# KiCad board 8851_HW-U1-VCU118_REV2-0_071417.kicad_pcb (continued)
## Routing (per net, layer and track width the routed paths; a pad name or vN(x,y) marks a point on that pad's centre or on a via; arc(x,y) is an arc through that point) (continued)
UTIL_3V3_DH_R: length 17.6
  TOP w0.625: 182.96,40.34 v3(184,40.34)
  03_SIG1 w0.375: v3(188.83,32.59) 188.83,33.95 187.97,34.8 182.7,34.8 181.68,35.83 181.68,39.78 182.25,40.34 v3(184,40.34)
  BOTTOM w0.375: 188.83,31.84 v3(188.83,32.59)
UTIL_3V3_DL: length 16.8
  TOP w0.625: v3(191.08,40.57) 191.08,40.16 191.39,39.84 192.08,39.84
  03_SIG1 w0.375: v3(189.58,27.77) 189.58,31.84 191.08,33.34 v3(191.08,40.57)
  BOTTOM w0.3: 188.08,27.08 188.89,27.08 v3(189.58,27.77)
UTIL_3V3_FET_SWITCH: length 52.2
  TOP w0.15: L75.1 190.68,46.87 191.39,47.58 191.39,50.42 v4(191.02,50.8)
  TOP w0.25: 190.71,59.7 v3(190.03,59.7)
  03_SIG1 w0.5: v3(202.97,52.92) 198.22,52.92 195.32,50.02 190.68,50.02 188.93,51.78 188.93,54.28 187.95,55.25 187.95,57.62 v3(190.03,59.7)
  BOTTOM w0.15: R1135.2 189.99,51.42 190.32,51.75 191.12,51.75 191.4,51.47 191.4,51.18 v4(191.02,50.8)
  BOTTOM w0.25: 190.08,31.84 190.08,31.84 189.47,31.23 189.47,30.48 188.57,29.58 187.87,29.58 187.43,29.14 187.43,28.72
  BOTTOM w0.375: 187.58,32.22 187.58,31.84 ; 190.08,31.84 190.08,32.9
  BOTTOM w0.75: 186.43,36.17 186.43,34.9 187.58,33.75 187.58,32.22 ; 190.08,32.9 190.08,33.97 187.9,36.14
  vias: v4(185.88,42.32) v4(187.13,42.32)
UTIL_3V3_PGOOD: length 191.7
  TOP w0.375: 198,168.86 v3(197.18,168.86)
  03_SIG1 w0.375: v3(202.72,150.68) 202.72,151.5 202.29,151.93 201.21,151.93 200.75,152.39 200.75,154.15 200.62,154.28 200.62,155.65 197.38,158.9 197.38,165.35 198.86,166.84 198.86,168.18 198.18,168.86 v3(197.18,168.86)
  05_SIG2 w0.375: v3(183.25,23.05) 185.93,23.05 188.12,25.24 188.12,28.52 192.27,32.67 192.27,42.14 196.44,46.32 196.44,56.21 193.62,59.03 193.62,65.68 195.62,67.68 208.7,67.68 209.78,68.76 209.78,70.95 202.65,78.08 202.65,127.25 201.43,128.47 201.43,136.42 206.07,141.07 206.07,151.08 205.44,151.71 203.99,151.71 202.96,150.68 v3(202.72,150.68)
  BOTTOM w0.25: v3(183.25,23.05) 183.48,23.28 183.68,23.28 183.98,23.58 183.98,23.97 ; 198.15,152.61 199.15,152.61 199.68,152.08 199.68,150.48 199.87,150.29 200.74,150.29
  BOTTOM w0.375: 200.74,150.29 202.33,150.29 v3(202.72,150.68)
UTIL_3V3_SNS_N: length 257.4
  TOP w0.102: 38.72,97.66 v3(38.72,97.01)
  07_SIG3 w0.133: v3(38.72,97.01) 38.98,96.75 38.98,95.65 30.23,86.9 30.23,76.88 26.86,73.52 26.86,39.67 31.6,34.92 31.6,28.57 40.12,20.05 41.89,20.05 49.64,12.3 74.04,12.3 76.25,10.09 76.25,8.12 77.17,7.2 123.15,7.2 125.39,9.43 125.39,11.98 126.62,13.22 181.18,13.22 187.03,19.07 187.03,20.49 v3(187.25,20.71)
  BOTTOM w0.102: v3(187.25,20.71) 187.95,20.71 187.95,21.17 187.7,21.43 C1538.2 187.26,22.41 187.26,22.82 186.88,23.2 186.88,23.34 186.93,23.4 186.93,23.97
  BOTTOM w0.207: 188.83,30.85 188.12,30.14 187.63,30.14 186.93,29.45 U156.26
UTIL_3V3_SNS_P: length 256.7
  TOP w0.102: 39.75,97.64 v3(39.75,96.98)
  07_SIG3 w0.133: v3(186.33,20.7) 186.55,20.7 186.75,20.49 186.75,19.18 186.5,18.93 186.33,18.93 186.02,19.24 185.85,19.24 185.74,19.13 185.74,18.96 186.05,18.65 186.05,18.48 181.06,13.49 126.51,13.49 125.11,12.1 125.11,9.54 123.04,7.47 77.28,7.47 76.52,8.24 76.52,10.2 74.15,12.57 49.81,12.57 42.02,20.36 41.76,20.36 40.25,20.36 31.91,28.7 31.91,35.05 27.17,39.8 27.17,73.39 30.52,76.73 30.52,86.8 39.25,95.53 39.25,96.88 39.36,96.98 v3(39.75,96.98)
  BOTTOM w0.102: v3(186.33,20.7) 186.71,21.08 C1538.1 186.99,22.25 186.99,22.71 186.58,23.11 186.58,23.22 186.44,23.36 186.44,23.97
  BOTTOM w0.207: 187.58,30.85 186.44,29.72 U156.27
UTIL_3V3_TEMPX: length 34
  BOTTOM w0.175: 181.2,29.35 180.9,29.64 180.9,31.65 180.23,32.32 180.23,37.3 181.66,38.73 181.66,42.9 184.73,45.97 184.73,48.48 185.69,49.44 190.6,49.44 191.53,48.51 191.53,48.17 191.34,47.98 191.34,47.2 191.83,46.71
  BOTTOM w0.25: 181.2,29.35 181.83,28.71 181.83,28.58 182.84,27.58 183.33,27.58
VAD_1V8_TEMPX: length 22.7
  BOTTOM w0.25: 187.91,142.29 187.42,142.78 187.42,144.12 186.91,144.63 178.62,144.63 173.51,139.51 173.51,138.59 173.75,138.35 174.16,138.35 174.88,137.63 174.88,137.13 175.43,136.58 175.93,136.58
VADJ_1V8: length 16.5
  TOP w0.138: R102.2 187.64,149.37 188.38,149.37 188.63,149.12 188.63,147.32 188.33,147.03 R87.1
  TOP w0.15: v3(192.05,141.5) 191.75,141.2 189.45,141.2 189.16,141.49 189.16,143.44
  BOTTOM w0.15: Z65.2 191.98,141.43 v3(192.05,141.5)
  BOTTOM w0.375: 184.91,143.42 184.12,143.42 v3(184.11,143.43)
  vias: v3(180.16,147.68) v3(181.28,147.68) v3(181.28,146.43) v3(182.53,147.68) v3(182.53,146.43) v3(183.78,147.68) v3(183.78,146.43) v3(185.03,147.68) v3(185.03,146.43) v3(186.28,147.68) v3(186.28,146.43)
VADJ_1V8_EN: length 67.5
  TOP w0.375: 124.03,137.65 v3(124.03,136.48)
  07_SIG3 w0.375: v3(148.22,132.25) 148.61,131.86 157.18,131.86 157.91,131.12 160.16,131.12 161.09,132.05 163.72,132.05 165.07,133.4 165.07,137.38 166.87,139.17 v3(175.13,139.17)
  BOTTOM w0.2: 178.06,137.73 178.06,138.89 177.55,139.4 175.36,139.4 v3(175.13,139.17)
  BOTTOM w0.375: v3(124.03,136.48) 124.65,135.86 128.98,135.86 129.55,135.29 131.35,135.29 133.64,137.58 143.19,137.58 144.99,135.78 144.99,133.98 145.97,133.01 147.46,133.01 v3(148.22,132.25)
VADJ_1V8_FET_SWITCH: length 27.1
  TOP w0.15: 189.16,138.42 189.16,140.46 189.45,140.75 191.78,140.75 v3(192.05,140.48)
  TOP w0.375: 178.69,142.43 178.69,141.78 v3(178.31,141.4)
  BOTTOM w0.15: v3(192.05,140.48) 191.72,140.8 R712.2
  BOTTOM w0.25: 180.03,137.73 180.03,138.41 180.61,138.98 180.61,140.66 180.79,140.84 181.43,140.84
  BOTTOM w0.375: 178.81,140.72 178.81,140.91 v3(178.31,141.4) 178.31,141.94 178.93,142.55 180.96,142.55 181.43,142.08 181.43,140.84 181.54,140.84 182.76,139.63 184.11,139.63 184.26,139.48 187.03,139.48
  vias: v3(190.75,139.3) v3(190.75,137.55) v3(190.75,136.3) v3(190.75,135.05) v3(191.25,138.43) v3(191.75,139.3) v3(191.75,137.55) v3(191.75,136.3) v3(191.75,135.05)
VADJ_1V8_FPGA: length 238.4
  TOP w0.138: R87.2 189.08,147.03 188.91,147.2 188.91,149.31 188.51,149.71 187.64,149.71 R101.2
  TOP w0.15: U1.AK36 v2(129.17,57.92)
  TOP w0.375: 123.76,54.47 v2(124.25,53.98) ; 193.79,141.82 J58.1 ; J58.1 195.38,140.23 ; J58.1 195.38,141.82 ; J58.1 195.63,141.03 ; J58.1 194.58,142.08 ; J58.1 193.53,141.03 ; J58.1 194.58,139.98 ; J58.1 193.79,140.23 ; J22.F40 v3(56.5,162) ; v2(136.06,48.07) 135.57,48.57 ; v3(126.05,98.8) 126.81,98.8 C169.1 126.56,97.55 v3(126,97.55) ; 132.62,57.42 132.62,57.42 v2(133.11,56.93) ; v2(111.45,74.65) 111.95,74.16 ; J2.H40 v3(125.4,164.5) ; J2.G39 v3(126.65,163.25) ; 104.07,78.09 v2(103.58,78.59) ; 130.65,53.49 v2(131.14,52.99) ; J22.G39 v3(57.75,163.25) ; v3(163.88,96.67) 163.88,97.99 C170.1 163.02,97.75 v3(163.02,96.67) ; 108.01,76.12 v2(107.52,76.62) ; J22.H40 v3(56.5,164.5) ; 105.06,75.14 v2(104.56,75.63) ; v2(111.45,53.98) 111.95,54.47 ; v2(106.53,79.57) 107.02,79.08 ; v2(130.15,55.95) 129.66,56.44 ; v2(124.25,74.65) 123.76,74.16 ; 106.04,52.5 v2(105.55,52.01) ; J22.E39 v3(57.75,160.75) ; 108.99,73.17 v2(108.5,73.66) ; v2(125.23,71.7) 124.74,71.2 ; 136.55,55.46 v2(137.04,54.96) ; v2(134.09,53.98) 133.6,54.47 ; v2(127.2,75.63) 126.71,75.14 ; v2(138.03,52.01) 137.54,52.5 ; v2(104.56,54.96) 105.06,55.46 ; v2(129.17,79.57) 128.68,79.08 ; J2.E39 v3(126.65,160.75) ; 126.71,55.46 v2(127.2,54.96) ; 131.63,50.53 v2(132.12,50.04) ; v2(123.26,77.6) 122.77,77.11 ; v2(139.01,49.06) 138.52,49.55 ; 134.58,51.52 v2(135.08,51.03) ; v2(107.52,55.95) 108.01,56.44 ; 108.99,53.49 v2(108.5,52.99) ; J2.F40 v3(125.4,162) ; v2(101.61,53.98) 102.1,54.47
  03_SIG1 w0.375: J58.1 195.38,140.23 ; J58.1 193.79,141.82 ; J58.1 195.38,141.82 ; J58.1 194.58,142.08 ; J58.1 195.63,141.03 ; J58.1 193.53,141.03 ; J58.1 194.58,139.98 ; J58.1 193.79,140.23 ; 55.33,171.4 49.85,171.4 48.1,169.65 48.1,157.1 48.92,156.28 50.17,156.28 51.48,154.97 51.48,147.95 52.33,147.1 53.38,147.1 54.77,145.7 54.77,140.5 53.15,138.88 53.15,136.68 52.58,136.1 52.58,133.33 50.99,131.74 50.99,126.39 51.8,125.58 51.8,117.26 51.33,116.79 51.33,99.1 50.35,98.12 45.12,98.12 41.15,94.15 41.15,85.2 39.58,83.63 39.58,80.04 38.45,78.92 38.45,74.35 v3(39.49,73.31)
  11_PWR2 w0.375: J58.1 195.38,140.23 ; J58.1 195.38,141.82 ; J58.1 193.53,141.03 ; J58.1 193.79,140.23 ; J58.1 194.58,139.98 ; J58.1 194.58,142.08 ; J58.1 193.79,141.82 ; J58.1 195.63,141.03
  BOTTOM w0.188: v2(127.2,75.63) 127.69,76.12 127.69,82.74 127.95,83 128.39,83 128.65,83.26 128.65,83.7 128.95,84 130.38,84 130.6,84.22 130.6,84.67 130.93,85 131.38,85 131.62,85.25 131.62,85.67 131.9,85.95 133.31,85.95 133.55,86.19 133.55,86.7 133.8,86.95 134.33,86.95 134.6,87.22 134.6,87.7 134.88,87.97 135.18,87.97 135.78,88.58 143.48,88.58 144.98,87.08 148.89,87.08 149.08,87.28
  BOTTOM w0.375: C1649.1 v3(121.02,167.53) ; C1625.1 v3(52.7,169.49) ; C1012.1 v3(118.4,155.7) ; 38.58,73.19 39.37,73.19 v3(39.49,73.31) 40.67,73.31 ; v3(53.74,170.48) v3(54.52,170.48) 54.65,170.48 55.25,169.88 55.25,169.49 55.25,167.86 ; 51.94,158.16 v3(52.93,158.16) ; 51.94,156.43 v3(53.12,156.43) ; C289.1 50.12,156.43 v3(49.38,157.18) ; C1569.1 v3(148.25,43.92) ; 123.04,165.43 v3(123.91,165.43) ; C1467.1 v3(148.25,39.55) ; C1568.1 v3(148.25,40.92) ; C1643.1 v3(53.69,164.98) ; C1641.1 v3(49.39,158.16) ; 123.41,159.56 v3(123.41,160.54) ; 120.95,157.43 v3(121.94,157.43) ; C1573.1 v3(148.25,42.42)
  vias: v3(191.16,145.55) v3(191.16,144.18) v3(191.16,142.93) v3(192.38,147.6) v3(192.38,146.35) v3(192.38,145.1) v3(192.46,143.9) v3(193.58,143.9) v3(193.63,147.6) v3(193.63,146.35) v3(193.63,145.1)
VADJ_1V8_FPGA_SNS_N: length 114.2
  BOTTOM w0.102: C369.2 C370.1 ; C369.2 178.73,131.22 178.73,131.48 179.54,132.28 179.54,132.97 ; C369.2 178.71,130.61 178.71,130.28 v3(179.01,129.98) 178.56,129.52 178.56,125.89 185.64,118.81 185.64,116.61 188.88,113.38 188.88,83.63 182.9,77.65 178.39,77.65 176.54,75.81 169.04,75.81 168.68,76.17 168.68,84 168.12,84.55 166.36,84.55 165.43,85.48 165.43,88.68 165.11,89 158.91,89 158.08,89.83 152.82,89.83 151.62,88.63 151.62,87.93 150.49,86.8 149.92,86.8 149.65,86.53
  BOTTOM w0.25: U30.26 179.54,138.69 179.93,139.08 179.93,139.61
VADJ_1V8_FPGA_SNS_P: length 147.4
  05_SIG2 w0.133: v3(177.91,130.05) 177.91,129.51 177.5,129.1 174.75,129.1 174.03,129.83 174.03,140.51 180.7,147.19 180.7,147.93 182.69,149.92 v3(184.13,149.92)
  BOTTOM w0.102: 186.68,151.48 186.68,150.81 186.85,150.64 186.85,150.16 186.61,149.92 v3(184.13,149.92) ; 179.05,132.97 179.05,132.18 178.39,131.52 178.16,131.52 178.04,131.4 C369.1 178.16,130.8 178.16,130.31 v3(177.91,130.05) 178.33,129.63 178.33,129.31 178.23,129.21 178.08,129.21 177.98,129.11 177.98,128.8 178.08,128.7 178.23,128.7 178.33,128.6 178.33,125.8 185.42,118.71 185.42,116.52 188.65,113.28 188.65,83.72 182.81,77.88 178.29,77.88 176.45,76.04 169.13,76.04 168.9,76.27 168.9,84.09 168.22,84.77 166.45,84.77 165.65,85.58 165.65,88.77 165.2,89.22 159,89.22 158.18,90.05 152.72,90.05 151.4,88.72 151.4,88.02 150.4,87.02 149.91,87.02 149.65,87.28
  BOTTOM w0.25: U30.27 179.05,139.5 178.81,139.73
VADJ_1V8_FPGA_VIN: length 4.1
  TOP w0.138: v3(186.31,150.43) 186.09,150.21 186.09,149.81 186.19,149.71 186.61,149.71 186.75,149.85 R101.1
  TOP w0.15: v3(186.31,150.43) 186.74,150.86 186.74,151.55
  BOTTOM w0.15: v3(186.31,150.43) 186.12,150.61 186.12,151.41 186.19,151.48
VADJ_1V8_PGOOD: length 303.8
  TOP w0.375: J22.D1 v3(105.25,159.5) ; J2.D1 v3(174.15,159.5)
  05_SIG2 w0.375: v3(175.93,132.23) 175.93,136.03 178.04,138.14 178.04,139.44 177.51,139.97 177.51,141.93 180.3,144.73 186.57,144.73 190.4,148.55 194.08,148.55 194.71,147.92 199.8,147.92 200.63,147.09 v3(201.98,147.09)
  07_SIG3 w0.375: v3(135.04,149.86) 136.95,147.95 166.91,147.95 173.53,154.57 173.53,158.88 v3(174.15,159.5)
  14_SIG4 w0.375: v3(55.38,124.87) 54.01,126.25 54.01,128.84 54.6,129.43 54.6,140.69 56.7,142.79 56.7,144.28 57.81,145.39 57.81,146.66 v3(58.23,147.08)
  16_SIG5 w0.375: v3(175.93,132.23) 175.93,134.01 178.56,136.64 178.56,140.03 177.59,141 177.59,149.98 175.05,152.52 175.05,158.6 v3(174.15,159.5)
  18_SIG6 w0.375: v3(55.38,124.87) 54.27,123.75 54.27,121.86 52.48,120.08 52.48,98.75 48.8,95.08 45.6,95.08 41.05,90.52 41.05,82.1 43.67,79.47 43.67,75.51 v3(45.24,73.95)
  BOTTOM w0.25: 200.74,147.09 199.72,147.09 198.49,148.32 198.15,148.32 ; 176.59,132.97 176.59,132.75 176.06,132.23 v3(175.93,132.23)
  BOTTOM w0.375: 200.74,147.09 v3(201.98,147.09) ; v3(58.23,147.08) 58.57,147.42 60.25,147.42 61.06,148.23 62.32,148.23 63.12,147.43 67,147.43 69.23,149.65 103.88,149.65 104.64,150.41 104.64,158.89 v3(105.25,159.5) 106.06,158.69 106.06,154.24 110.75,149.55 134.73,149.55 v3(135.04,149.86) ; 46.42,73.95 v3(45.24,73.95)
VADJ_1V8_PGOOD_LS: length 134.6
  TOP w0.15: v2(123.26,76.62) 122.77,76.12
  03_SIG1 w0.17: v3(61.8,103.04) 60.69,103.04 58.77,101.12 58.77,94.98 47.11,83.31 42.66,83.31 42.29,82.95 42.29,78.56 43.7,77.16 43.7,74.82 42.83,73.95 v3(41.86,73.95)
  BOTTOM w0.15: v2(123.26,76.62) 122.78,77.1 120.11,77.1 119.78,76.77 119.78,76.38 119.52,76.12 119.13,76.12 118.85,76.41 118.85,76.85 118.59,77.11 118.15,77.11 117.85,77.41 117.85,77.9 117.66,78.09 117.21,78.09 116.28,79.02 110.33,79.02 109.98,79.37 109.98,79.87 109.79,80.06 109.29,80.06 108.99,80.36 108.99,80.81 108.75,81.05 108.3,81.05 108.01,81.34 108.01,81.77 107.74,82.03 107.32,82.03 107.02,82.33 107.02,82.68 106.69,83.01 106.34,83.01 106.08,83.28 106.08,83.73 105.85,83.95 105.4,83.95 105.06,84.29 105.06,90.32 100.28,95.1 100.28,100.58 98.55,102.3 88.63,102.3 88.51,102.41 87.22,103.7 71.67,103.7 70.85,104.52 63.77,104.52 62.72,105.58 59.4,105.58 59.1,105.27 59.1,103.85 59.91,103.04 v3(61.8,103.04) ; 40.67,73.95 v3(41.86,73.95)
VADJ_1V8_VIN: length 4.5
  TOP w0.138: R102.1 186.78,149.37 186.05,149.37 185.75,149.67 185.75,150.26 v3(185.58,150.43)
  TOP w0.15: 185.76,151.55 185.76,150.6 v3(185.58,150.43)
  BOTTOM w0.15: 185.7,151.48 185.78,151.4 185.78,150.62 v3(185.58,150.43)
VADJ_DL: length 7.4
  TOP w0.25: 186.96,134.23 186.35,134.23 186.03,134.55 v3(186.03,134.68)
  03_SIG1 w0.375: v3(186.03,134.68) 184.33,134.68 182.53,136.48 v3(181.96,136.48)
  BOTTOM w0.25: 180.68,136.09 181.35,136.09 181.73,136.48 v3(181.96,136.48)
VREF_43: length 1.4
  TOP w0.15: v2(122.28,70.71) 121.79,70.22
  BOTTOM w0.15: v2(122.28,70.71) 121.8,70.23 121.8,70.23
VREF_45: length 1.4
  TOP w0.15: 109.98,71.2 v2(109.49,71.7)
  BOTTOM w0.15: 109.97,71.19 109.97,71.21 v2(109.49,71.7)
VREF_66: length 1.4
  TOP w0.15: 133.6,52.5 v2(134.09,52.01)
  BOTTOM w0.15: R1024.2 134.59,51.51 v2(134.09,52.01)
VREF_67: length 1.4
  TOP w0.15: 123.76,57.42 v2(124.25,56.93)
  BOTTOM w0.15: v2(124.25,56.93) 123.76,56.45 R1023.2
VREF_70: length 1.4
  TOP w0.375: v2(114.41,53.98) 114.9,54.47
  BOTTOM w0.375: v2(114.41,53.98) 114.89,53.49 114.89,53.48
VRP_40: length 14.3
  TOP w0.15: v2(136.06,71.7) 135.57,71.2
  BOTTOM w0.15: R378.1 146.21,73.17 145.22,72.19 136.55,72.19 v2(136.06,71.7)
VRP_41: length 17.2
  TOP w0.15: v2(136.06,70.71) 135.57,70.22
  BOTTOM w0.15: v2(136.06,70.71) 136.55,71.2 145.66,71.2 147.03,72.58 151.27,72.58 151.62,72.93
VRP_42: length 18.9
  TOP w0.15: 134.58,75.14 v2(135.08,75.63)
  BOTTOM w0.15: v2(135.08,75.63) 135.57,76.12 145.76,76.12 147.02,74.86 150.36,74.86 150.54,75.05 150.71,75.05 151.25,75.59 151.25,76.04 151.38,76.17 151.75,76.17
VRP_43: length 23.7
  TOP w0.15: 127.69,75.14 v2(128.19,75.63)
  BOTTOM w0.15: R383.1 144.86,74.3 144.72,74.16 134.88,74.16 134.58,73.86 134.58,73.47 134.29,73.17 130.94,73.17 130.65,73.46 130.65,73.86 130.33,74.17 129.94,74.17 129.66,74.45 129.66,74.94 129.46,75.14 128.97,75.14 128.48,75.63 v2(128.19,75.63)
VRP_45: length 39.3
  TOP w0.138: 100.92,98.43 v3(100.92,97.73)
  TOP w0.15: v2(112.44,74.65) 112.93,74.16
  03_SIG1 w0.17: v3(100.92,97.73) 100.07,96.88 100.07,91.24 103.09,88.22 103.09,78.24 103.23,78.09 105.84,78.09 106.04,77.89 106.04,72.43 106.28,72.2 108.7,72.2 109,72.5 109,72.97 109.2,73.17 111.75,73.17 111.95,73.37 111.95,74.16 v2(112.44,74.65)
VRP_46: length 28.6
  TOP w0.15: v2(102.6,79.57) 103.09,79.08
  BOTTOM w0.15: v2(102.6,79.57) 102.6,79.85 102.1,80.35 102.1,80.75 101.81,81.05 101.42,81.05 101.12,81.34 101.12,81.73 100.82,82.03 100.43,82.03 100.13,82.33 100.13,88.59 99.17,89.55 85.7,89.55 84.58,90.67 83.62,90.67
VRP_47: length 37.6
  TOP w0.15: v3(81.62,64.8) 82.67,64.8 83.24,65.37 83.24,66.05 ; v2(108.5,70.71) 108.99,70.22
  20_SIG7 w0.087: v3(81.62,64.8) 82.67,64.8 85.13,62.35 87.8,62.35 89.36,63.91 93.19,63.91 93.56,64.28 107.17,64.28 108.01,65.12 108.01,70.22 v2(108.5,70.71)
VRP_48: length 32.4
  TOP w0.15: v2(104.56,67.76) 105.06,67.27
  BOTTOM w0.15: 83.62,76.81 83.05,76.23 83.05,68.22 83.67,67.6 84.67,67.6 85.66,68.58 90.87,68.58 92.17,67.28 104.08,67.28 v2(104.56,67.76)
VRP_65: length 13.5
  TOP w0.15: v3(150.7,62.25) 148.12,62.25 147.73,61.85 v2(139.01,61.85) 138.52,62.35
  BOTTOM w0.15: v3(150.7,62.25) 150.52,62.43 149.88,62.43
VRP_66: length 15.6
  TOP w0.15: 136.55,57.42 v2(137.04,56.93)
  BOTTOM w0.15: v2(137.04,56.93) 137.54,56.44 140.86,56.44 147.5,49.8 R4.1
VRP_67: length 17.8
  TOP w0.15: 133.6,53.49 v2(134.09,52.99)
  BOTTOM w0.15: v2(134.09,52.99) 134.32,52.99 134.81,53.49 141.38,53.49 146.19,48.67 R380.1
VRP_70: length 51.4
  TOP w0.15: 129,31.67 129,32.12 126.49,34.62 v3(125.47,34.62) ; v2(111.45,55.95) 111.95,56.44
  07_SIG3 w0.17: v3(125.47,34.62) 126.22,35.37 126.22,35.9 127.12,36.79 127.12,41.15 126.69,41.58 126.69,60.14 126.43,60.4 112.25,60.4 111.94,60.09 111.94,56.43 v2(111.45,55.95)
VRP_71: length 18.3
  TOP w0.15: v2(93.14,46.54) 87.44,46.54 83.52,42.62 82.72,42.62 ; 97.18,49.55 v2(96.69,49.06)
  20_SIG7 w0.17: v2(96.69,49.06) 96.2,48.57 96.2,47.8 95.97,47.58 93.46,47.58 92.98,47.1 92.98,46.7 v2(93.14,46.54)
VRP_72: length 27.7
  TOP w0.15: 83.24,58.55 v3(83.94,58.55) ; 108.99,62.35 v2(108.5,61.85)
  14_SIG4 w0.087: v3(83.94,58.55) 84.64,59.25 91.6,59.25 92.5,60.15 93.28,60.15 93.42,60.3 107.65,60.3 108.1,60.75 108.1,61.45 v2(108.5,61.85)
VRP_73: length 28
  TOP w0.15: 83.24,57.42 v3(83.94,57.42) ; 108.99,59.39 v2(108.5,58.9)
  14_SIG4 w0.087: v2(108.5,58.9) 108.05,58.45 108.05,57.78 107.72,57.45 106.2,57.45 105.97,57.67 105.97,58.12 105.72,58.38 93.25,58.38 92.78,57.9 85.55,57.9 85.08,57.42 v3(83.94,57.42)
